# KiCad board mtk64_R_rev2.kicad_pcb (continued)
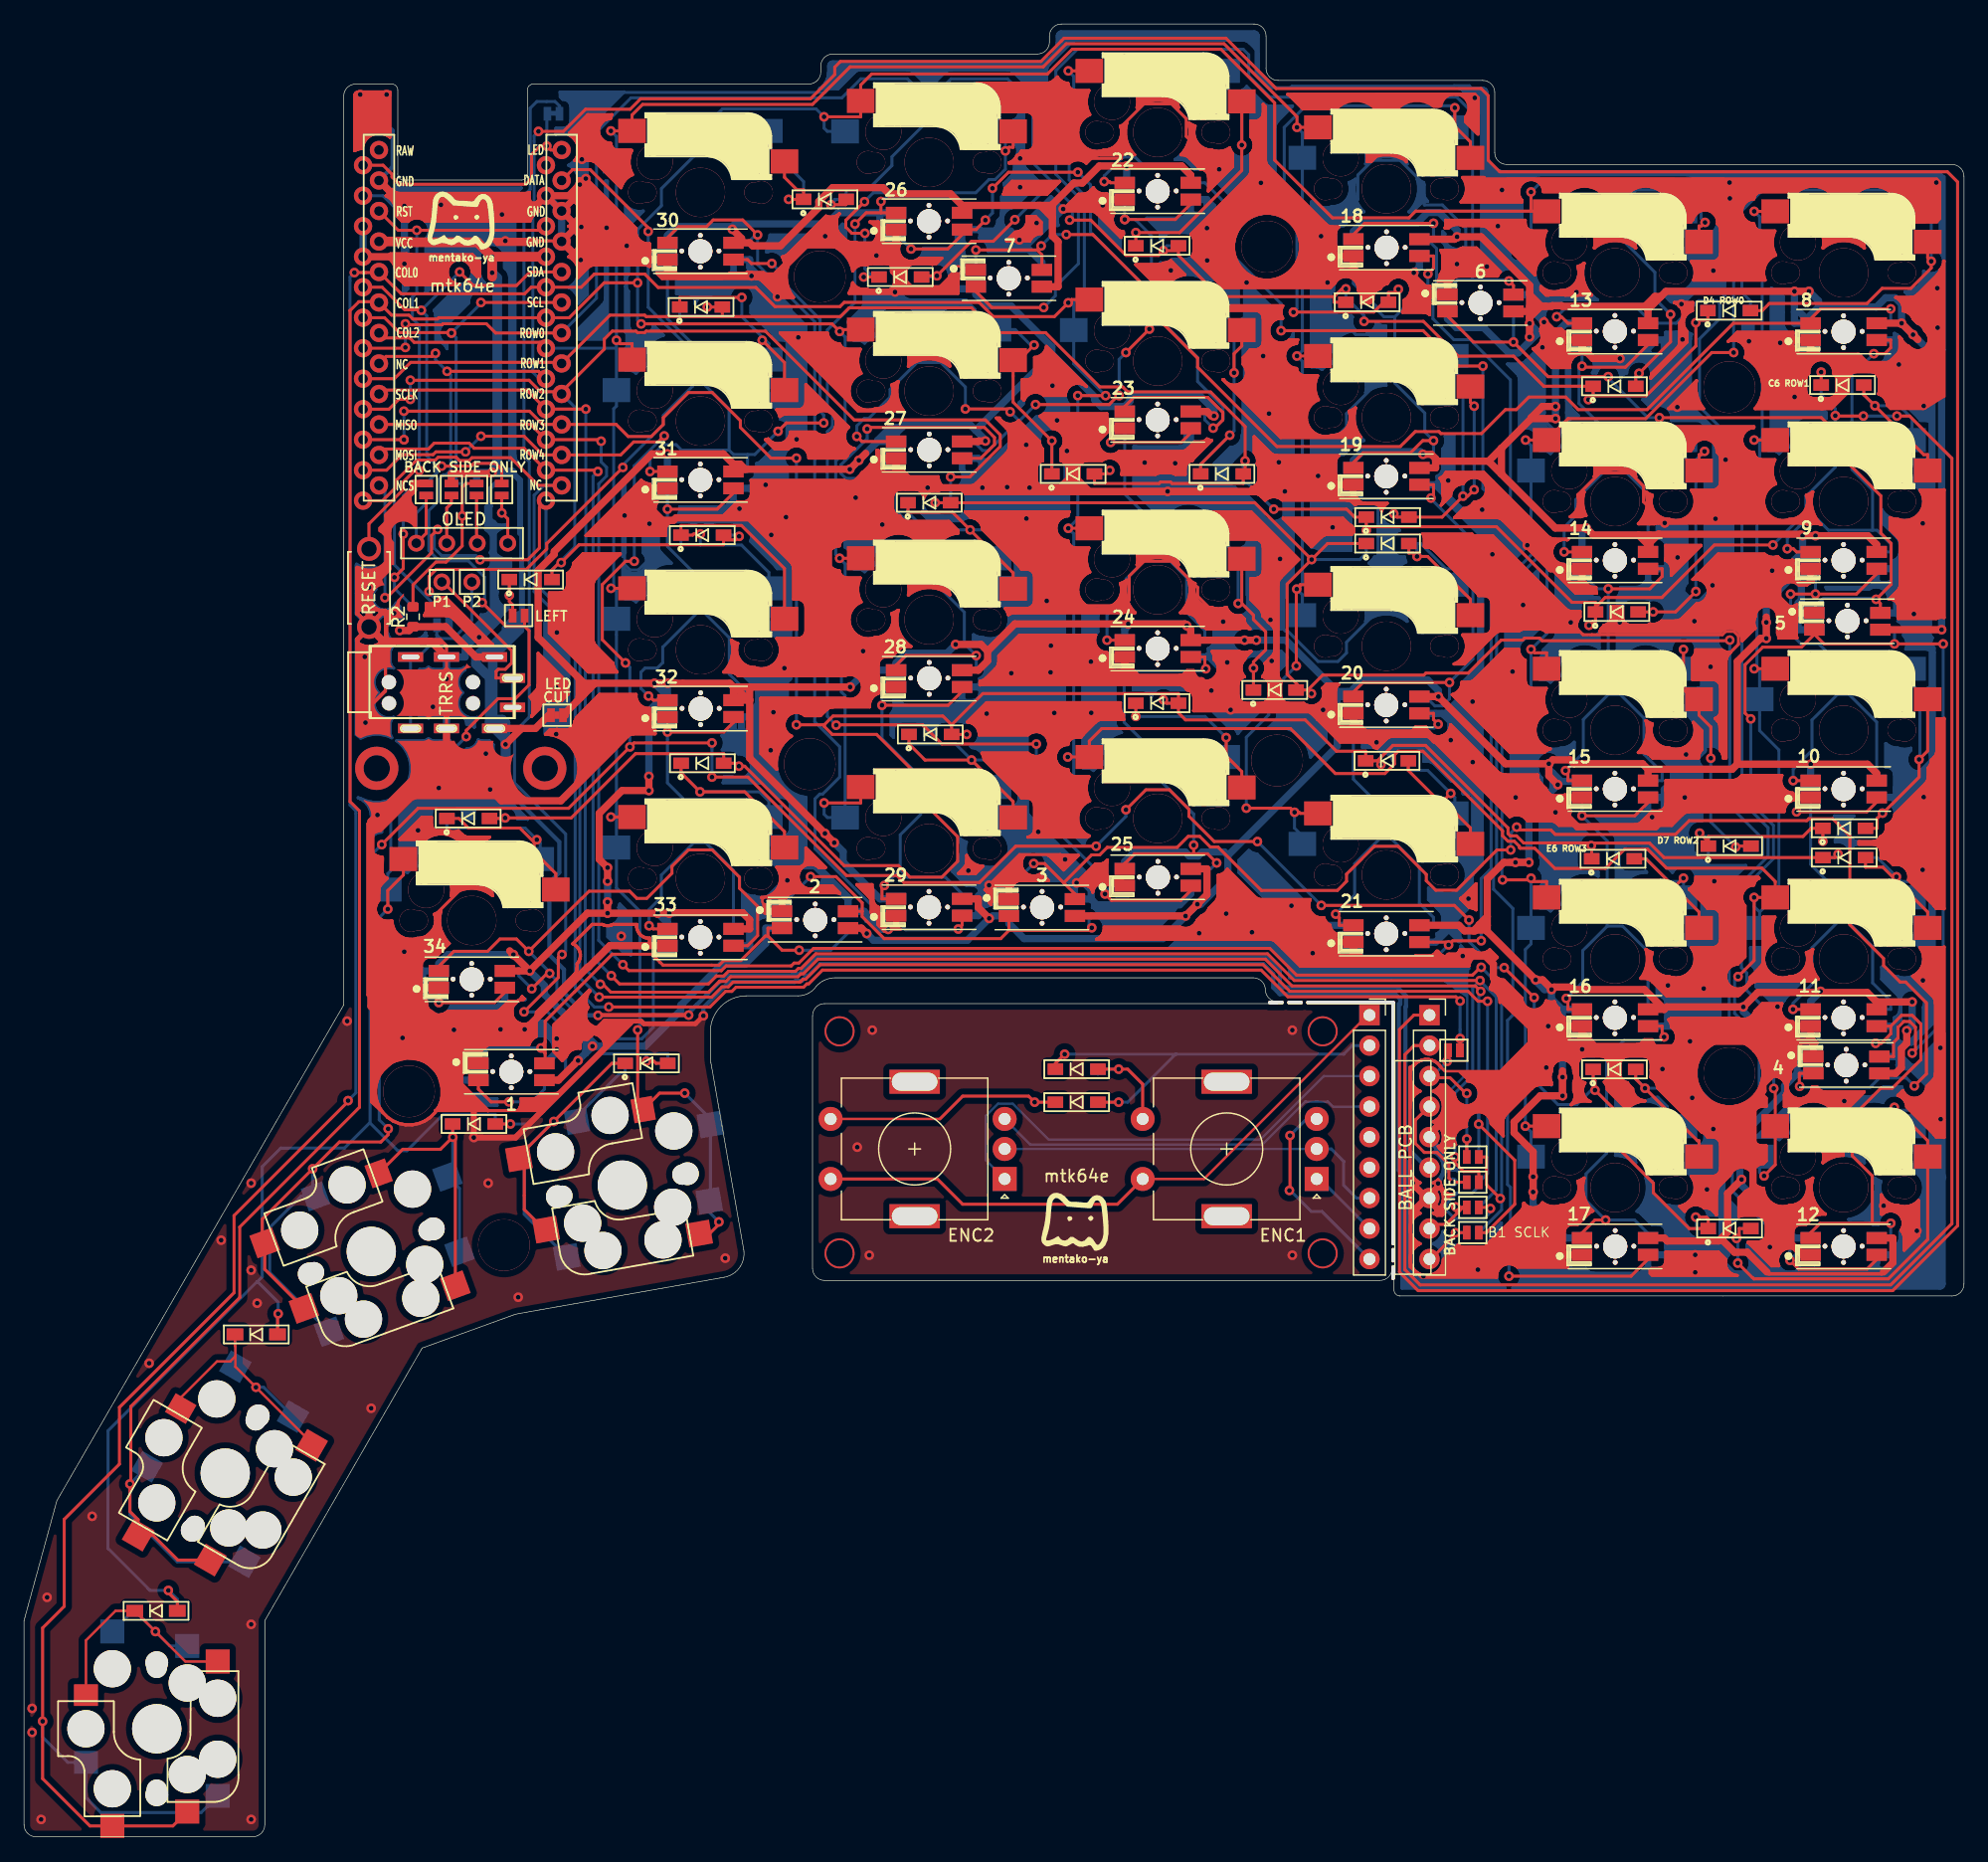
[diagram p0: board, top side]
## Routing (per net, layer and track width the routed paths; a pad name or vN(x,y) marks a point on that pad's centre or on a via; arc(x,y) is an arc through that point) (continued)
  Bottom w0.2: 135.64,66.39 134.99,66.39 ; REF**#5.3 108.31,63.37 103.03,58.09 85.36,58.09 82.38,61.07 81.16,61.07 80.13,60.04 80.13,56.37 ENC2.A ; 148.96,64.86 148.96,64.84 149.22,64.84 149.22,64.86 149.24,64.86 149.24,65.12 149.22,65.12 ; D24#2.2 17.61,41.81 SW3.1 v5(19.32,37.45) ; 129.68,67.65 129.68,67.67 129.94,67.67 129.94,67.65 129.96,67.65 129.96,67.4 129.94,67.4 ; 148.73,67.65 148.73,67.67 148.99,67.67 148.99,67.65 149.01,67.65 149.01,67.4 148.99,67.4 ; 129.68,48.35 129.68,48.33 129.94,48.33 129.94,48.35 129.96,48.35 129.96,48.6 129.94,48.6 129.94,48.62 129.68,48.62 129.68,48.6 ; ENC2.C ENC1.C ; ENC2.B 83.84,57.67 103.18,57.67 106.75,61.24 108.63,61.24 109.05,60.83 REF**#5.4 ; 144.49,55.97 144.68,56.05
  Bottom w0.25: 56.38,102.26 58.76,99.87 58.76,96.84 60.29,95.32 60.29,94.68 59.11,94.68 ; 56.38,102.26 53.22,99.1 53.22,97.8 52.77,97.35 51.74,97.35 51.4,97.01 51.4,95.65 52.03,95.02 ; 56.38,102.26 56.38,102.36 56.23,102.51 56.23,104.86 53.61,107.48 53.61,112.33 ; 34.39,100.1 34.4,100.1 34.68,99.82 ; 34.39,100.1 34.39,100.93 ; 34.39,100.1 34.39,99.82 ; 86.84,133.46 85.69,133.46 v2(84.74,132.52) ; ENC1.A 107.97,54.8 REF**#5.8 ; 52.16,113.73 52.16,114.87 53.25,115.96 54.33,115.96 54.79,115.5 58.75,115.5 ; 51.86,65.23 53.63,65.23 53.63,64.43 ; 51.86,65.23 48.07,65.23 42.22,59.38 v5(40.52,59.38) 39.26,59.38 39.26,60.18 34.93,60.18 31.9,57.15 31.14,57.15 28.83,59.46 28.83,81.68 v2(29.8,82.65) ; 51.86,65.23 51.86,64.6 ; 84.81,129.12 85.93,129.12 ; 85.93,129.12 85.93,128.36 84.96,127.39 ; 85.93,129.12 87.85,131.04 87.85,136.61 85.97,138.49 85.97,147.11 87.75,148.9 101.58,148.9 102.04,148.44 102.04,146.7 103.82,144.91 119.38,144.91 120.69,143.6 120.69,129.68 ; 98.03,113.53 98.03,114.33 v2(100.46,116.75) 100.82,117.11 v2(100.82,121.95) 100.82,126.06 100.16,126.72 100.16,128.05 ; 149.09,64.99 147.91,64.99 147.91,66.12 143.53,70.5 143.53,71.95 143.1,72.39 143.1,78.82 145.76,81.48 145.76,84.24 143.87,86.14 v2(143.87,93.12) ; 110.76,74.53 110.76,74.14 111.55,73.35 117.75,73.35 v2(118.69,74.29) ; 43.98,104.73 43.98,105.53 44.68,106.22 ; REF**#5.9 108.14,52.09 107.25,52.09 105.5,53.84 v5(105.43,53.84) ; 93.89,106.85 91.82,104.77 91.82,103.35 90.23,101.77 90.23,99.68 ; 93.89,106.85 94.91,106.85 96.87,104.88 96.87,101.99 98.39,100.47 98.39,99.68 97.21,99.68 ; 93.89,106.85 93.89,109.66 91.71,111.84 91.71,117.33 90.53,117.33 90.53,116.15 ; 85.56,137.71 85.56,137.94 84.05,139.45 84.05,144.33 81.95,146.43 77.24,146.43 75.43,144.62 ; 85.56,137.71 87.35,135.92 87.35,134.9 87.12,134.67 ; 85.56,137.71 v2(82.56,134.7) ; 151.09,95.15 148.97,93.03 148.97,90.5 147.4,88.93 v2(147.4,87.98) ; 151.09,95.15 152.06,95.15 154.36,92.85 154.36,87.98 ; 151.09,95.15 151.09,97.82 149.54,99.38 148.04,99.38 147.19,100.23 v2(147.19,103.52) ; 154.02,108.83 150.35,108.83 149.48,109.7 148.44,109.7 147.88,109.13 146.91,108.16 v2(146.91,107.29) ; 154.02,108.83 154.02,112.18 152.3,113.89 152.3,122.12 ; 154.02,108.83 154.39,108.83 155.54,107.68 155.54,107.03 154.36,107.03 ; v2(140.54,89.84) 140.54,84.52 v2(142.62,82.45) 142.7,82.53 143.89,82.53 ; D24.1 12.77,19.8 12.26,20.31 12.24,20.31 v5(12.02,20.52) 10.5,20.52 7,24.02 7,33.82 19.43,46.25 19.45,46.25 ; 49.13,104 49.13,118.95 49.36,119.18 49.36,124 ; 49.13,104 49.36,103.77 49.36,84.95 ; 49.13,104 v2(48.91,104) ; v2(42.3,70.64) 41.24,71.7 41.24,72.13 40.06,72.13 ; 157.31,135.4 157.31,136.06 ; 157.31,136.06 158.9,134.46 158.9,131.24 ; 157.31,136.06 157.31,136.72 156.85,137.18 144.87,137.18 143.13,135.44 143.13,128.64 143.84,127.93 143.84,127.13 ; 116.26,114.03 117.44,114.03 117.44,116.3 116.71,117.02 116.71,118.59 114.21,121.09 114.21,126.61 ; 91.81,123.63 91.24,123.07 v2(91.24,120.04) ; 9,18.82 D24.2 ; D24.2 12.15,15.9 SW4.1 ; D24.2 9.08,18.82 SW4.1 ; 111.78,89.63 112.76,89.63 v2(113.06,89.33) ; 51.41,126.02 51.12,126.32 v2(51.12,129.44) 51.12,133.88 53.11,135.87 53.11,137.29 55.77,139.95 55.77,141.51 58.19,143.93 66,143.93 66.66,143.27 66.66,142.33 66.93,142.06 68.41,142.06 ; 138.26,79.57 v2(138.26,79.85) ; 138.26,79.57 138.26,78.25 ; 138.26,79.57 137.03,79.57 135.14,81.47 134.16,81.47 ; 49.36,124 v2(49.36,124.66) 49.36,141.63 v2(48.9,142.1) ; 49.36,124 v6(43.49,124) ; v6(28.25,136.7) 29.91,136.7 30.86,135.75 30.86,105.95 34.37,102.44 ; ENC1.C 108.93,57.3 109.96,56.27 109.96,54.27 111.02,53.21 REF**#5.7 ; 124.05,48.48 123.72,48.8 123.72,49.98 123.85,50.1 123.85,54.1 123.6,54.34 123.6,68 124.05,68.45 124.05,77.32 122.44,78.93 122.44,80.2 122.69,80.45 122.69,103.14 126.44,106.89 126.44,108.16 123.84,110.76 123.84,121.36 120.49,124.71 119.13,124.71 117.39,126.45 117.39,129.13 117.69,129.44 117.69,132.29 116.91,133.08 ; 124.05,48.48 123.72,48.15 123.72,46.7 ; 124.05,48.48 129.81,48.48 ; 135.31,87.98 136.49,87.98 136.49,88.66 134.97,90.17 134.97,93.18 133.01,95.15 131.99,95.15 ; v2(154.31,103.08) 154.23,103.16 149.93,103.16 149.17,102.4 149.17,101.95 ; SW3.2 v5(8.82,29.39) 8.82,26.85 12.77,22.9 SW3.2 ; 154.27,66.1 154.08,66.29 149.72,66.29 148.86,67.15 148.86,67.53 ; 125.82,69.9 125.82,62.97 127.81,60.99 129.38,60.99 130.74,62.35 ; 131.87,113.64 131.87,117.08 129.56,119.39 129.56,122.25 129.81,122.5 129.81,124.68 ; 131.87,113.64 133.51,113.64 135.31,111.83 135.31,107.03 ; 131.87,113.64 131.56,113.64 129.28,111.37 129.28,110.05 128.32,109.09 128.32,107.03 ; v2(155.54,51.1) 155.54,49.88 154.36,49.88 ; v2(90.06,78.53) 90.06,78.64 90.65,79.23 ; 34.39,99.82 32.85,98.28 32.2,98.28 32.2,92.33 ; 34.39,99.82 34.68,99.82 ; 81.11,106.5 81.11,107.82 80.07,108.86 v2(78.83,108.86) 75.12,108.86 73.66,110.33 73.66,111.13 ; 130.74,62.35 130.74,63.93 ; 130.74,62.35 v2(130.89,62.19) ; 151.09,76.17 148.97,74.05 148.97,71 147.39,69.42 v2(147.39,68.93) ; 151.09,76.17 151.99,76.17 154.02,74.14 154.02,71.12 155.54,69.61 155.54,68.93 154.36,68.93 ; 151.09,76.17 151.09,78.76 148.86,81 148.86,86.58 147.68,86.58 v2(147.68,85.37) ; 39.81,111.73 v2(39.81,110.28) ; v2(63.7,136.4) 64.96,136.4 64.96,137.88 62.06,140.77 62.06,142.1 ; 95.96,65.19 v5(86.71,65.19) 85.93,64.42 D1.1 ; 95.96,65.19 109.96,65.19 110.67,65.91 REF**#5.2 ; 95.96,65.19 91.96,61.19 v5(91.21,61.19) D1#2.2 ; 112.94,83.12 112.94,85.91 110.76,88.09 110.76,92.36 ; 112.94,83.12 110.87,81.05 110.87,78.44 109.29,76.86 ; 112.94,83.12 113.93,83.12 116.26,80.79 116.26,77.76 117.44,76.58 117.44,75.93 116.26,75.93 ; 37.86,64.43 37.86,64.87 38.7,65.71 v2(43.07,65.71) ; 136.65,66.62 136.38,66.35 133.31,66.35 131.94,64.98 129.81,67.12 129.81,67.53 ; 130.74,120.83 130.74,120.03 130.66,120.03 v2(130.34,119.71) ; 123.33,72.4 122.56,72.4 120.39,74.57 v2(120.39,76.36) ; v2(38.07,116.66) 36.79,115.38 v2(36.79,115.36) ; v2(40.09,84.87) 39.8,84.87 39.76,84.83 38.79,84.83 ; 135.31,68.93 135.31,73.73 133.19,75.86 131.91,75.86 ; 106.51,82.71 106.51,83.37 105.86,84.02 v2(105.86,85.34) ; 34.37,102.44 34.37,103.02 33.75,103.65 v2(33.75,103.73) ; 34.37,102.44 35.43,101.38 35.43,100.93 ; 72.66,113.15 68.47,113.15 68.08,113.54 68.08,114.3 70.25,116.47 70.25,117.27 ; 72.66,113.15 72.66,110.46 75.41,107.71 75.41,104.94 78.35,102 78.35,99.38 v2(79.34,98.39) 79.34,97.18 78.16,97.18 ; 72.66,113.15 72.66,114.83 ; 131.91,75.86 131.91,82.95 v2(129.81,85.05) 129.81,86.58 ; 131.91,75.86 129.87,73.82 129.87,71.2 v5(128.5,69.84) ; v2(87.01,147.1) 87.46,146.64 87.46,143.23 87.08,142.85 87.08,138.01 88.34,136.75 88.34,128.66 87.46,127.78 ; 67.91,84.91 66.93,84.91 66.66,85.18 v2(66.66,86.12) ; 67.91,84.91 68.41,85.4 68.41,95.05 68.1,95.36 68.1,102.32 68.41,102.63 68.41,106.04 v2(67.96,106.5) 67.63,106.82 67.63,114.6 68.41,115.38 68.41,124.94 v2(67.96,125.39) ; 67.91,84.91 68.41,84.91 ; 139.61,83.6 139.89,83.33 140.34,83.33 140.34,81.72 140.4,81.66 144.66,81.66 144.86,81.86 144.86,83.14 142.12,85.88 142.12,99.68 ; 120.69,129.68 123.63,129.68 123.72,129.6 ; 120.69,129.68 119.44,129.68 118.6,128.84 118.6,128.46 ; 157.89,89.74 157.97,89.81 157.97,95.31 157.31,95.97 157.31,97.3 ; 117.82,92.67 117.51,92.36 110.76,92.36 ; 149.26,103.52 149.26,105.23 148.86,105.63 ; v2(73.9,132.26) 72.66,133.5 72.66,133.88 ; v5(77.21,113.28) 77.21,111.13 75.92,111.13 ; 142.79,49.84 v2(142.79,47.79) ; 142.79,49.84 142.9,49.95 142.9,50.67 143.88,50.67 ; 142.79,49.84 v2(142.68,49.84) ; v2(98.46,97.29) 98.27,97.1 92.49,97.1 ; 115.87,107.73 116.06,107.54 116.06,106.65 ; 115.87,107.73 115.39,107.73 ; 115.87,107.73 116.36,107.73 118.47,105.62 119.21,105.62 119.21,104.3 ; 62.83,117.07 60.89,115.14 60.29,115.14 ; 139.3,103.73 139.3,113.98 138.95,114.33 ; v2(38.07,127.81) 38.07,127.72 v5(35.61,125.27) 36,124.87 36,113.12 35.61,112.73 36.51,112.73 36.51,110.02 ; 113.69,127.83 113.69,128.63 114.23,128.63 v2(114.51,128.91) ; 43.01,81.45 43.01,82.77 41.76,84.02 35.23,84.02 35.23,84.83 ; 67.67,92.6 66.93,93.33 66.93,117.04 67.36,117.47 67.36,118.57 66.93,118.99 66.93,125.51 69.24,127.81 v2(69.24,134.34) ; v2(137.18,126.81) 135.88,128.11 135.88,130.31 133.23,132.96 133.23,136.11 134.31,137.19 137.79,137.19 138.26,136.72 138.26,135.4 139.74,135.4 139.74,134.8 v2(140.06,134.48) ; 92.49,97.1 91.66,96.27 91.66,92.84 94.46,90.04 94.46,88.18 97.45,85.19 v2(97.45,82.6) ; 92.49,97.1 91.71,97.88 91.71,98.28 ; v2(114.13,110.2) 114.41,109.93 115.39,109.93 ; 54.73,108.43 54.73,107.63 56.35,107.63 ; v5(105.77,127) 106.06,127.29 106.06,133.9 105,134.96 105,142.39 106.8,144.19 119.04,144.19 119.21,144.02 119.21,142.4 ; 110.14,128.94 110.14,128.23 ; 49.36,84.95 49.36,79.05 51.31,77.09 51.31,67.39 51.13,67.21 ; 49.36,84.95 v2(48.9,84.95) ; 97.21,118.73 98.39,118.73 98.39,118.03 99.07,117.34 99.18,117.34 99.9,118.07 99.9,119.1 97.78,121.22 97.78,123.22 94.39,126.62 94.39,129 93.93,129.45 93.93,133.36 92.58,134.72 v5(91.71,134.72) 91.71,136.38 ; v2(116.97,130.18) 116.97,129.36 114.21,126.61 ; 81.11,87.45 81.11,88.77 80.19,89.69 78.95,89.69 77.62,91.03 73.74,91.03 73.74,91.83 ; 152.3,122.12 152.71,122.12 154.12,123.54 ; 152.3,122.12 151.03,122.12 148.86,124.29 148.86,124.68 ; 75.43,144.62 73.61,146.44 69.73,146.44 68.14,144.85 50.57,144.85 47.69,141.98 47.69,128.17 v6(44.79,125.27) ; 75.43,144.62 75.43,143.05 72.31,139.94 72.31,139.21 70.29,137.2 68.5,137.2 68.5,136.4 67.53,136.4 67.53,136.26 67.22,135.95 ; 114.21,126.61 113.3,126.61 112.64,127.27 112.64,127.5 110.76,129.39 110.76,131.68 ; 50.11,97.78 50.48,97.41 v2(50.48,90.78) ; 56.35,107.63 56.38,107.6 59.78,107.6 62.06,105.32 62.06,104 ; 56.35,107.63 56.35,108.53 ; 62.06,84.95 62.06,86.27 61.29,87.04 56.33,87.04 54.74,88.63 54.74,89.43 ; 72.56,76.73 72.56,76.44 73.45,75.55 77.78,75.55 77.84,75.61 ; 72.56,76.73 71.48,76.73 65.9,82.31 65.9,86.46 66.3,86.86 66.54,86.86 67.96,88.27 67.96,90.8 65.88,92.88 65.88,126.21 61.12,130.96 v2(61.12,133.43) 60.94,133.43 60.29,132.78 59.11,132.78 ; 72.56,76.73 72.66,76.73 ; v2(90.11,120.05) 87.46,122.7 87.46,127.78 ; v2(142.81,71.65) 142.52,71.37 142.52,68.59 145.78,65.33 v2(145.78,62.34) ; 154.59,63.59 154.59,63.21 ; 154.59,63.21 153.8,62.41 148.03,62.41 v2(147.94,62.51) ; 154.59,63.21 156.83,63.21 v2(157.5,62.54) ; v2(32.18,121.33) v2(32.18,119.73) ; 35.61,111.73 35.61,111.08 35.22,110.7 v6(35.22,107.76) ; v2(124.37,84.1) 123.87,83.6 123.87,82.2 ; v2(99.37,81.12) 98.87,80.63 97.21,80.63 ; 70.75,129.93 v2(69.96,129.93) ; 70.75,129.93 71.24,129.93 ; 70.75,129.93 70.06,130.62 70.06,133.57 ; 117.22,111.45 v2(117.22,111.52) ; 117.22,111.45 120.72,107.96 120.72,98.1 v2(118.76,96.15) 118.76,94.79 118.18,94.2 117.55,94.2 116.77,94.98 116.26,94.98 ; 117.22,111.45 111.57,111.45 110.76,112.26 110.76,112.63 ; v2(90,137.88) 90,138.35 91.56,139.91 92.57,139.91 93.53,138.95 96.4,138.95 97.21,138.14 97.21,137.78 98.39,137.78 99.98,136.18 99.98,132.46 104.74,127.7 v2(104.74,125.46) ; 90.65,79.23 84.34,85.53 v2(84.34,91.03) ; 90.65,79.23 91.71,79.23 ; 59.11,75.63 59.11,80.49 56.81,82.8 55.79,82.8 ; 100.16,147.1 100.16,145.77 101.46,144.47 v2(101.46,140.92) ; 55.79,82.8 55.79,85.61 53.61,87.79 v2(53.61,92.03) 53.61,93.28 ; 55.79,82.8 53.1,80.11 53.1,78.26 52.08,77.23 52.08,75.89 ; v2(80.1,134.66) 80.69,135.26 80.69,137.32 ; 60.29,115.14 60.29,113.73 59.11,113.73 ; 60.29,115.14 59.11,115.14 58.75,115.5 ; 140.33,50.67 139.35,50.67 139.35,51.55 139.29,51.62 ; 138.95,114.33 138.26,115.02 138.26,116.35 ; 138.95,114.33 140.02,115.41 ; 87.46,127.78 87.01,127.78 ; 134.28,120.83 134.28,121.63 134.56,121.9 ; 34.41,114.17 34.41,113.62 33.51,112.73 32.61,112.73 31.59,111.71 v2(31.59,108.52) ; 34.41,114.17 v2(34.79,114.17) ; 34.41,114.17 33.55,115.03 33.55,126.7 v2(33.1,127.15) v2(36.3,130.35) ; v5(91.21,63.94) D1.2 89.48,63.52 ; v6(32.68,107.76) 32.68,110.26 33.51,111.08 33.51,111.73 ; v2(30.86,104.91) 30.86,104 32.41,102.45 ; v5(27,61.32) 27.65,61.97 27.65,85.45 27.16,85.93 27.16,129.93 v5(27.52,130.3) ; 87.56,76.71 88.74,76.71 88.74,75.95 v2(88.96,75.72) ; 91.81,85.55 91.81,85 89.33,82.51 ; 59.8,126.63 54.63,126.63 54.63,127.43 ; 59.8,126.63 61.51,124.92 v2(61.51,124.66) 61.77,124.66 62.06,124.37 62.06,123.05 ; 59.8,126.63 59.8,128.23 ; 34.68,99.82 35.77,99.82 37.31,101.35 v6(37.31,104.53) ; 144.61,116.35 v2(144.15,116.35) ; 144.61,116.35 144.61,112.48 144.38,112.25 144.38,97.3 ; 144.61,116.35 144.82,116.56 144.82,131.32 144.61,131.53 144.61,134.94 v2(144.16,135.4) ; 140.3,127.13 140.3,126.33 139.49,126.33 139.29,126.12 ; v2(57.32,88.27) 57.32,91.12 ; 87.8,138.66 88.86,137.6 88.86,133.67 93.76,128.76 v2(93.76,125.59) ; 107.27,95.22 106.96,95.53 105.99,95.53 ; 131.99,95.15 v2(131.99,103.95) 131.06,103.95 129.81,105.21 129.81,105.63 ; 131.99,95.15 129.92,93.07 129.92,90.29 v2(128.43,88.81) ; 144.61,77.03 144.15,77.49 144.15,78.25 ; 144.61,77.03 144.61,75.71 ; 144.61,77.03 146.21,78.63 146.21,90.54 144.61,92.14 144.61,97.07 144.38,97.3 ; 34.56,70.73 v5(34.56,69.49) ; 138.26,97.3 v2(138.26,98.9) ; 144.61,56.66 144.61,55.33 144.89,55.05 144.98,55.05 ; 87.46,89.95 87.46,108.54 v2(87.01,109) 87.8,109.79 v2(87.8,120.05) ; 87.46,89.95 87.46,87.41 ; 87.46,89.95 v5(86.96,89.95) ; 115.34,89.63 115.34,88.83 116.96,88.83 v2(118.87,86.91) 119.21,86.57 119.21,85.25 ; v6(44.79,120.19) 45.89,119.09 45.89,107.43 44.68,106.22 ; 50.09,64.43 50.09,63.62 49.69,63.62 45.58,59.52 44.05,59.52 41.68,57.15 41.68,51.85 SW2.2 ; v2(130.59,82.57) 130.59,82.29 130.62,82.27 130.62,81.47 ; 153.43,84.01 154.4,84.01 154.4,84.82 154.84,85.27 ; v2(101.84,85.68) 101.84,91.59 103.71,93.46 103.71,95.23 v2(106,97.53) ; v2(119.89,111.67) 119.89,121.34 119.21,122.02 119.21,123.35 ; v2(125.11,116.35) 125.56,115.89 125.56,109.68 126.89,108.34 126.89,100.24 v2(125.56,98.91) 125.56,93.43 123.14,91.01 123.14,79.76 123.19,79.71 ; 116.26,133.08 116.91,133.08 ; 58.29,89.43 59.32,89.43 59.56,89.18 ; 79.31,130.52 v2(79.31,132.18) ; SW4.2 14.76,2.02 6.4,2.02 5.16,3.26 SW4.2 3.65,6.2 1.55,8.3 v5(1.55,9.62) ; 153.44,81.57 154.41,81.57 156.01,79.97 156.01,79.97 156.41,79.57 157.31,79.57 157.31,78.25 ; 100.16,109 100.16,107.67 101.16,106.67 v2(101.16,102.73) ; 73.01,80.52 73.01,83.46 74.7,85.16 74.7,88.25 71.48,91.47 v2(71.48,94.25) 71.48,95.78 72.66,95.78 ; 73.01,80.52 72.96,80.52 v2(71.69,79.24) ; 73.01,80.52 73.6,79.93 76.77,79.93 78.16,78.54 78.16,78.13 ; 77.28,91.83 78.55,91.83 ; 96.19,94.43 95.21,94.43 v2(94.93,94.7) ; 110.14,128.23 111.65,126.71 111.65,126.23 ; 110.14,128.23 110.14,127.83 ; 157.31,59.2 157.31,60.52 156.07,60.52 v2(155.83,60.76) ; v2(50.84,106.25) 50.84,114.19 53.34,116.69 v5(53.34,116.69) ; 148.86,48.48 147.6,48.48 v2(147.14,48.01) 147.14,48.99 142.33,53.8 142.33,59.48 144.58,61.72 144.58,65.74 142.07,68.24 142.07,78.43 145.31,81.67 145.31,84.06 143.13,86.23 143.13,115.59 139.6,119.13 139.6,124.77 141.27,126.45 141.27,127.74 141.05,127.96 139.52,127.96 137.64,126.08 135.31,126.08 135.31,126.44 134.49,127.26 128.35,127.26 v2(127.7,126.62) ; 62.3,131.05 63.46,129.9 63.46,129.26 66.33,126.39 66.33,118.73 66.63,118.43 v2(66.63,117.77) ; 58.29,108.43 59.26,108.43 59.36,108.32 v2(59.58,108.32) ; v2(65.53,79.98) 63.16,77.6 63.16,77.09 ; 111.84,107.73 111.84,106.93 111.3,106.39 v2(107.28,106.39) ; v2(155.84,99.36) 155.84,100.55 154.67,100.55 ; 102.76,82.9 v2(108.08,77.58) ; 144.38,97.3 v2(144.16,97.3) ; 102.44,95.53 v2(102.44,97.35) ; v2(125.56,79.85) 125.56,74.38 125.09,73.91 125.09,59.2 125.56,58.72 125.56,56.66 ; 44.68,106.22 44.76,106.14 ; 134.28,63.93 134.28,63.12 135.06,62.35 136.43,62.35 138.26,60.52 138.26,59.2 ; v2(31.65,118.75) v5(31.65,116.38) ; ENC1.B 106.86,59.8 v5(105.48,58.42) ; v6(37.76,107.76) 37.71,107.81 37.71,111.73 ; 82.88,117.98 v2(82.16,118.7) ; 82.88,117.98 80.38,115.48 79.86,115.48 79.34,116 79.34,116.23 78.16,116.23 ; 82.88,117.98 82.96,117.98 v2(84.28,119.3) ; 71.4,136.22 71.65,136.47 77.35,136.47 78.16,135.65 78.16,135.28 ; v5(57.9,51.22) 57.09,52.03 SW2.1 57.19,53.07 SW2.1 57.19,59.81 v5(55.05,61.95) ; v2(121.55,122.51) 121.55,112.3 123.73,110.12 123.84,110.12 125.99,107.97 125.99,107.19 122.24,103.44 122.24,80.64 121.41,79.81 121.41,74.63 ; v2(76.06,130.03) 75.86,130.03 75.76,129.93 74.78,129.93 ; 94.93,132.13 94.93,132.24 95.21,132.53 96.19,132.53 ; 40.7,96.53 40.7,94.08 ; 31.77,126.02 31.77,124.06 ; v2(106.06,142.4) 106.51,141.94 106.51,123.8 v2(106.06,123.35) 106.51,122.9 106.51,104.4 106.04,103.93 106.51,103.46 106.51,101.76 ; 124.1,127.06 v2(124.1,124.51) ; 110.76,92.36 110.76,93.58 ; 32.72,133.82 32.72,128.62 32.36,128.26 32.36,126.47 32.94,125.89 v2(32.94,113.81) ; 85.64,113.53 85.64,116.28 ; SW3.1 19.97,37.45 v5(19.32,37.45) ; v2(142.44,123.63) 142.44,133.83 138.59,137.68 126.23,137.68 v2(125.56,137.01) 125.56,132.86 ; 58.75,115.5 58.75,118.9 56.24,121.4 56.24,123.81 53.61,126.44 53.61,131.38 ; 49.89,114.07 49.89,114.27 53.26,117.64 53.26,118.39 55.7,120.83 55.7,123.71 52,127.41 v2(52,133.73) ; 21.12,41.85 21.12,43.52 v5(21.18,43.57) 21.18,44.52 19.45,46.25 ; D1#2.1 v5(84.21,61.19) ; v2(155.54,127.27) 155.54,126.08 154.36,126.08 ; 131.86,64.9 131.86,56.93 130.15,55.23 130.15,53.01 131.78,51.38 134.19,51.38 135.31,50.25 135.31,49.88 ; 40.43,104.73 v2(40.43,103.41) ; 117.44,134.4 117.44,133.08 116.91,133.08 ; 28.8,59.47 26.7,57.37 21.4,57.37 19.85,55.82 19.85,46.65 19.45,46.25 ; v2(64.59,73.85) 67.21,73.85 68.66,75.3 68.66,75.69 ; 36.29,48.73 36.29,54 35.28,55.01 35.71,55.44 35.71,59.38 ; v2(136.26,118.21) 135.29,118.21 131.99,121.51 131.99,121.63 ; v2(70.02,136.2) 70.77,136.95 79.29,136.95 80.39,138.04 80.91,138.04 81.77,138.9 81.77,142.61 81.11,143.27 81.11,144.6 ; v2(159.9,99.36) 159.9,67.86 v2(157.32,65.28) ; v2(69.39,116.65) 69.39,117.52 70.02,118.15 70.38,118.15 72.16,119.93 72.16,120.56 74.4,122.8 76.39,122.8 78.43,120.76 78.43,118.94 ; 120.82,119.17 v2(120.82,112.21) ; 135.74,102.03 135.73,102.03 134.49,102.03 ; 64.36,114.84 64.36,92.63 ; 153.28,120.93 153.28,120.13 154.21,119.2 156.24,119.2 157.31,118.14 157.31,116.35 ; 82.06,78.11 82.06,79 84.13,81.07 ; v2(92.64,133.63) 92.64,132.53 ; v2(151.15,81.85) 150.86,81.57 149.89,81.57 ; 92.64,94.43 v2(92.64,93.32) 98.4,93.32 v2(100.16,91.56) 100.16,89.95 ; 81.11,125.55 82.59,125.55 83.87,124.26 v2(84.16,124.26) ; 42.06,73.76 43.79,72.02 43.79,71.92 44.4,71.31 44.4,70.19 48.11,66.48 51.48,66.48 52.43,67.43 52.43,74.23 53.61,74.23 ; 149.88,84.01 149.88,82.92
  Bottom w0.254: 49.64,77.69 50.55,76.78 ; 49.64,77.69 49.62,77.57 ; 49.64,77.69 50.55,76.78 ; 49.64,77.69 49.62,77.57 ; 50.55,76.78 50.55,73.45 ; 50.55,76.78 50.55,73.45 ; 48.65,75.9 48.72,75.9 ; 48.65,75.9 48.72,75.9 ; 48.65,75.9 48.65,74.98 ; 48.65,75.9 48.65,74.98 ; 48.72,75.9 48.92,75.94 ; 48.72,75.9 48.92,75.94 ; 49.66,77.03 49.62,77.23 ; 49.66,77.03 49.66,76.83 ; 49.66,77.03 49.66,76.83 ; 49.66,77.03 49.62,77.23 ; 49.62,77.23 49.55,77.4 ; 49.62,77.23 49.55,77.4 ; 50.55,73.45 50.39,73.56 ; 50.55,73.45 50.39,73.56 ; 50.39,73.56 50.2,73.64 ; 50.39,73.56 50.2,73.64 ; 50.2,73.64 50,73.68 ; 50.2,73.64 50,73.68 ; 49.11,76.02 49.28,76.13 ; 49.11,76.02 49.28,76.13 ; 49.11,76.02 48.92,75.94 ; 49.11,76.02 48.92,75.94 ; 49.28,76.13 49.43,76.27 ; 49.28,76.13 49.43,76.27 ; 50,73.68 49.94,73.68 ; 50,73.68 49.94,73.68 ; 49.94,73.68 48.65,74.98 ; 49.94,73.68 48.65,74.98 ; 49.43,76.27 49.54,76.44 ; 49.43,76.27 49.54,76.44 ; 49.54,76.44 49.62,76.63 ; 49.54,76.44 49.62,76.63 ; 49.62,76.63 49.66,76.83 ; 49.62,76.63 49.66,76.83 ; 49.62,77.57 49.55,77.4 ; 49.62,77.57 49.55,77.4
  vias: v1(32.23,76.33) v1(42.39,76.33) v1(51.28,136.98) v1(51.28,117.93) v1(51.28,98.88) v1(51.28,79.83) v1(61.44,136.98) v1(61.44,117.93) v1(61.44,98.88) v1(61.44,79.83) v1(70.33,139.48) v1(70.33,120.43) v1(70.33,101.38) v1(70.33,82.33) v1(80.49,139.48) v1(80.49,120.43) v1(80.49,101.38) v1(80.49,82.33) v1(89.38,141.98) v1(89.38,122.93) v1(89.38,103.88) v1(89.38,84.83) v1(99.54,141.98) v1(99.54,122.93) v1(99.54,103.88) v1(99.54,84.83) v1(108.43,137.28) v1(108.43,118.23) v1(108.43,99.18) v1(108.43,80.13) v1(118.59,137.28) v1(118.59,118.23) v1(118.59,99.18) v1(118.59,80.13) v1(127.48,130.28) v1(127.48,111.23) v1(127.48,92.18) v1(127.48,73.13) v1(127.48,54.08) v1(137.64,130.28) v1(137.64,111.23) v1(137.64,92.18) v1(137.64,73.13) v1(137.64,54.08) v1(146.53,130.28) v1(146.53,111.23) v1(146.53,92.18) v1(146.53,73.13) v1(146.53,54.08) v1(156.69,130.28) v1(156.69,111.23) v1(156.69,92.18) v1(156.69,73.13) v1(156.69,54.08) v2(31.77,126.02) v2(31.77,124.06) v2(32.73,133.82) v2(36.51,110.02) v2(42.06,73.76) v2(42.73,83.05) v2(43.79,71.92) v2(44.76,106.14) v2(49.76,75.02) v2(49.89,114.07) v2(50.11,97.78) v2(51.13,67.21) v2(51.41,126.02) v2(51.86,64.6) v2(52.03,95.02) v2(52.08,75.89) v2(52.16,113.73) v2(53.61,110.59) v2(56.33,87.04) v2(56.35,108.53) v2(57.32,91.12) v2(59.57,89.18) v2(59.8,128.23) v2(62.3,131.05) v2(62.82,117.07) v2(64.36,114.84) v2(64.36,92.63) v2(66.66,143.27) v2(67.22,135.95) v2(67.67,92.6) v2(70.06,133.57) v2(70.25,117.27) v2(71.4,136.22) v2(75.92,111.13) v2(77.84,75.61) v2(78.43,118.94) v2(78.55,91.83) v2(78.95,89.69) v2(80.69,137.32) v2(81.77,140.43) v2(84.12,81.07) v2(84.96,127.39) v2(85.64,116.28) v2(86.84,133.46) v2(87.01,127.78) v2(87.12,134.67) v2(87.81,138.66) v2(89.33,82.51) v2(90.24,99.68) v2(90.53,116.15) v2(91.81,123.63) v2(91.81,85.55) v2(94.93,132.13) v2(99.08,117.34) v2(102.76,82.9) v2(106.04,103.93) v2(107.27,95.22) v2(109.28,76.86) v2(110.14,128.94) v2(111.65,126.23) v2(116.06,106.65) v2(117.44,134.4) v2(117.44,116.3) v2(117.82,92.67) v2(119.21,144.02) v2(120.82,119.17) v2(121.41,74.63) v2(123,53.17) v2(123.19,79.71) v2(123.33,72.4) v2(123.72,129.6) v2(123.72,46.7) v2(123.87,82.2) v2(125.09,59.2) v2(125.82,69.9) v2(128.32,107.03) v2(129.81,122.5) v2(131.78,51.38) v2(131.99,121.63) v2(134.56,121.9) v2(135.06,62.35) v2(135.74,102.03) v2(136.65,66.62) v2(139.29,126.12) v2(139.3,103.73) v2(139.28,51.62) v2(139.61,83.6) v2(140.02,115.41) v2(142.12,99.68) v2(144.15,78.25) v2(144.98,55.05) v2(149.26,103.52) v2(149.88,82.92) v2(154.12,123.54) v2(154.21,119.2) v2(154.28,66.1) v2(154.84,85.27) v2(156.01,79.97) v2(157.89,89.74) v2(158.9,131.24) v3(32.07,62.09) v3(39.99,49.29) v3(65.47,89.35) v3(66.3,129.95) v3(103.57,132.45) v3(104.4,89.65) v3(142.09,120.75) v3(142.09,63.6) v4(33.5,78.87) v4(34.77,81.41) v4(39.85,81.41) v4(41.12,78.87) v4(52.55,139.52) v4(52.55,120.47) v4(52.55,101.42) v4(52.55,82.37) v4(53.82,142.06) v4(53.82,123.01) v4(53.82,103.96) v4(53.82,84.91) v4(58.9,142.06) v4(58.9,123.01) v4(58.9,103.96) v4(58.9,84.91) v4(60.17,139.52) v4(60.17,120.47) v4(60.17,101.42) v4(60.17,82.37) v4(71.6,142.02) v4(71.6,122.97) v4(71.6,103.92) v4(71.6,84.87) v4(72.87,144.56) v4(72.87,125.51) v4(72.87,106.46) v4(72.87,87.41) v4(77.95,144.56) v4(77.95,125.51) v4(77.95,106.46) v4(77.95,87.41) v4(79.22,142.02) v4(79.22,122.97) v4(79.22,103.92) v4(79.22,84.87) v4(90.65,144.52) v4(90.65,125.47) v4(90.65,106.42) v4(90.65,87.37) v4(91.92,147.06) v4(91.92,128.01) v4(91.92,108.96) v4(91.92,89.91) v4(97,147.06) v4(97,128.01) v4(97,108.96) v4(97,89.91) v4(98.27,144.52) v4(98.27,125.47) v4(98.27,106.42) v4(98.27,87.37) v4(109.7,139.82) v4(109.7,120.77) v4(109.7,101.72) v4(109.7,82.67) v4(110.97,142.36) v4(110.97,123.31) v4(110.97,104.26) v4(110.97,85.21) v4(116.05,142.36) v4(116.05,123.31) v4(116.05,104.26) v4(116.05,85.21) v4(117.32,139.82) v4(117.32,120.77) v4(117.32,101.72) v4(117.32,82.67) v4(128.75,132.82) v4(128.75,113.77) v4(128.75,94.72) v4(128.75,75.67) v4(128.75,56.62) v4(130.02,135.36) v4(130.02,116.31) v4(130.02,97.26) v4(130.02,78.21) v4(130.02,59.16) v4(135.1,135.36) v4(135.1,116.31) v4(135.1,97.26) v4(135.1,78.21) v4(135.1,59.16) v4(136.37,132.82) v4(136.37,113.77) v4(136.37,94.72) v4(136.37,75.67) v4(136.37,56.62) v4(147.8,132.82) v4(147.8,113.77) v4(147.8,94.72) v4(147.8,75.67) v4(147.8,56.62) v4(149.07,135.36) v4(149.07,116.31) v4(149.07,97.26) v4(149.07,78.21) v4(149.07,59.16) v4(154.15,135.36) v4(154.15,116.31) v4(154.15,97.26) v4(154.15,78.21) v4(154.15,59.16) v4(155.42,132.82) v4(155.42,113.77) v4(155.42,94.72) v4(155.42,75.67) v4(155.42,56.62) v6(29.57,140.51) v7(32.81,76.33) v7(41.81,76.33) v7(51.86,136.98) v7(51.86,117.93) v7(51.86,98.88) v7(51.86,79.83) v7(60.86,136.98) v7(60.86,117.93) v7(60.86,98.88) v7(60.86,79.83) v7(70.91,139.48) v7(70.91,120.43) v7(70.91,101.38) v7(70.91,82.33) v7(79.91,139.48) v7(79.91,120.43) v7(79.91,101.38) v7(79.91,82.33) v7(89.96,141.98) v7(89.96,122.93) v7(89.96,103.88) v7(89.96,84.83) v7(98.96,141.98) v7(98.96,122.93) v7(98.96,103.88) v7(98.96,84.83) v7(109.01,137.28) v7(109.01,118.23) v7(109.01,99.18) v7(109.01,80.13) v7(118.01,137.28) v7(118.01,118.23) v7(118.01,99.18) v7(118.01,80.13) v7(128.06,130.28) v7(128.06,111.23) v7(128.06,92.18) v7(128.06,73.13) v7(128.06,54.08) v7(137.06,130.28) v7(137.06,111.23) v7(137.06,92.18) v7(137.06,73.13) v7(137.06,54.08) v7(147.11,130.28) v7(147.11,111.23) v7(147.11,92.18) v7(147.11,73.13) v7(147.11,54.08) v7(156.11,130.28) v7(156.11,111.23) v7(156.11,92.18) v7(156.11,73.13) v7(156.11,54.08) v8(37.31,76.33) v8(56.36,136.98) v8(56.36,117.93) v8(56.36,98.88) v8(56.36,79.83) v8(75.41,139.48) v8(75.41,120.43) v8(75.41,101.38) v8(75.41,82.33) v8(94.46,141.98) v8(94.46,122.93) v8(94.46,103.88) v8(94.46,84.83) v8(113.51,137.28) v8(113.51,118.23) v8(113.51,99.18) v8(113.51,80.13) v8(132.56,130.28) v8(132.56,111.23) v8(132.56,92.18) v8(132.56,73.13) v8(132.56,54.08) v8(151.61,130.28) v8(151.61,111.23) v8(151.61,92.18) v8(151.61,73.13) v8(151.61,54.08) v9(28.74,107.28) v10(29.39,89) v10(43.39,89) v11(31.55,98.28) v11(31.55,92.33) v11(40.05,96.53) v11(40.05,94.08) v12(30.4,94.43) v12(37.4,94.43) v13(67.95,67.1) v13(67.95,48.6) v13(108.2,67.1) v13(108.2,48.6)
